# Altium PCB BalanceCar.PcbDoc (continued)
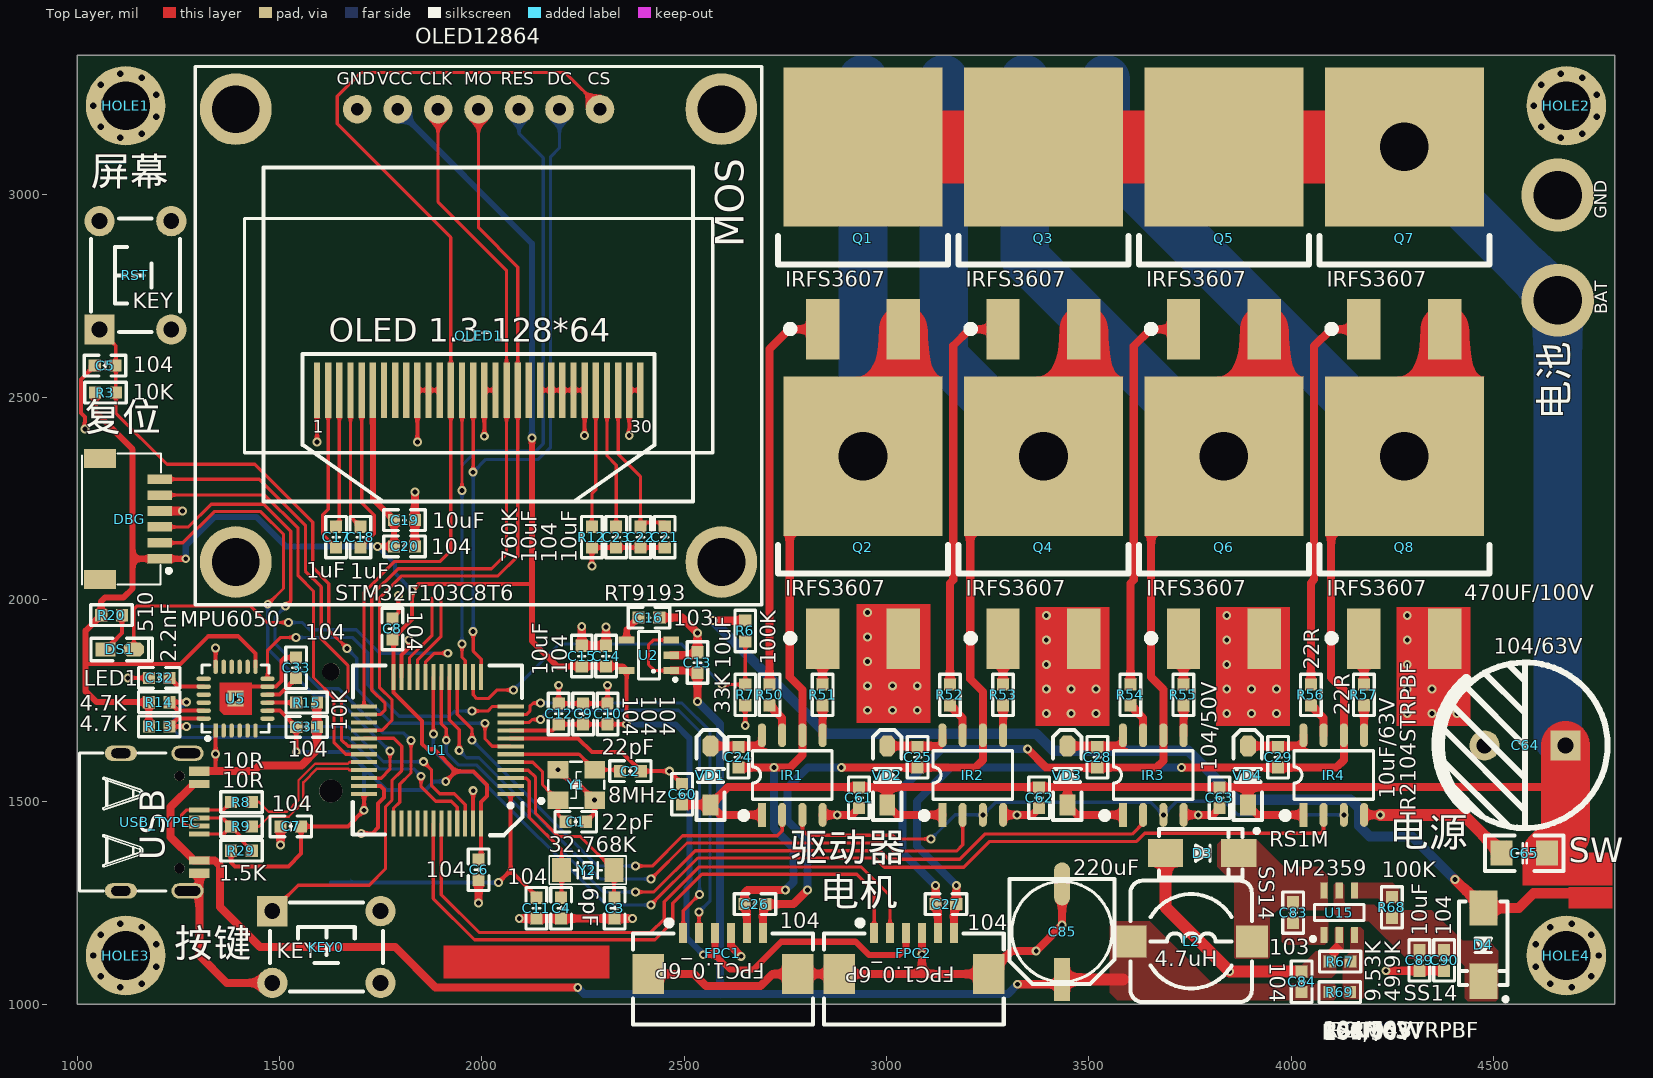
[diagram p0: Top Layer view]
## Part data
BAT: library part CR-3V, "微型电池"
C1 C2 C11 C12 C26 C27 C85: library part CAP
C3 C4 C5 C6 C7 C8 C9 C10 C13 C14 C15 C16 C17 C18 C19 C20 C21 C22 C23 C31 C32 C33 C83 C84 C89 C90: library part C
C24 C25 C28 C29 C60 C61 C62 C63 C65: library part C, "无极性贴片电容"
C64: library part C-CAP, "直插电解电容"
D3 D4: library part D, "1N4148"
DBG: library part "Header 6", "6P接插件"
DS1: library part LED2, "Typical RED, GREEN, YELLOW, AMBER GaAs LED"
FPC1 FPC2: library part FPC
IR1 IR2 IR3 IR4: "HALF-BRIDGE DRIVER"
KEY0 RST: library part KEY_M
L2: library part L_SOP
Q1 Q2 Q3 Q4 Q5 Q6 Q7 Q8: library part NMOS-2, "N-Channel Power MOSFET"
R3 R6 R7 R8 R9 R12 R13 R14 R15 R20 R29 R67 R68 R69: library part R
R50 R51 R52 R53 R54 R55 R56 R57: library part R, "贴片电阻"
U1: library part U-STM32F103C8T6
U2: library part CAT6219-330TD, "3.3V 500mA LDO"
U5: "9轴运动处理传感器"
U15: "DC DC Step Down IC"
USB_TYPEC: library part "USB Type-C", "12P TypeC 母座"
VD1 VD2 VD3 VD4: library part SS14, "肖特基二极管"
Y1: library part XTAL_3225, "3225贴片无源晶振"
Y2: library part XTAL, "Crystal Oscillator"

## Via types
v1: diameter 22, hole 12, Top Layer to Bottom Layer, 135 vias
v2: diameter 28, hole 16, Top Layer to Bottom Layer, 44 vias
v3: diameter 220, hole 120, Top Layer to Bottom Layer, 4 vias
v4: diameter 180, hole 120.08, Top Layer to Bottom Layer, 2 vias
v5: diameter 260, hole 120, Top Layer to Bottom Layer, 1 vias

## Nets (pads, with @x,y where several pads share a name; then routed paths per layer and width w, separated by ;. In a path a pad name is that pad's centre, name@x,y a point inside that pad or via, vN(x,y) a via of type N, cw(c..) or ccw(c..) an arc to the next point about the centre after c; other vN are vias at no path point)
BOOT0: U1.44
GND: BAT.2 C1.1 C2.1 C3.1 C4.1 C5.1 C6.1 C7.1 C8.1 C9.1 C10.1 C11.2 C12.1 C13.2 C14.1 C15.1 C16.1 C19.1 C20.1 C21.1 C22.1 C23.1 C31.1 C32.1 C33.1 C60.1 C61.1 C62.1 C63.1 C64.2 C65.2 C84.1 C85.2 C89.1 C90.1 D3.1 DBG.4 FPC1.4 FPC2.4 HOLE1.1 HOLE2.1 HOLE3.1 HOLE4.1 IR1.4 IR2.4 IR3.4 IR4.4 KEY0.2 OLED1.1 OLED1.8@1692,3211.45 OLED1.10 OLED1.11 OLED1.12 OLED1.16 OLED1.17 OLED1.21 OLED1.22 OLED1.23 OLED1.24 OLED1.25 OLED1.29 OLED1.30 Q2.3 Q4.3 Q6.3 Q8.3 R7.2 R12.1 R15.2 R67.2 RST.2 U1.8 U1.23 U1.35 U1.47 U2.2 U5.1 U5.11 U5.18 U5.25 U15.2 USB_TYPEC.1 USB_TYPEC.12 USB_TYPEC.SH1 USB_TYPEC.SH2 USB_TYPEC.SH3 USB_TYPEC.SH4 Y1.2 Y1.4 | length 7505.3
  Top Layer w10: v1(1019,2421) 1019,2451 1009,2461 1009,2543.59 C5.1 ; v1(1125,1806) C32.1 ; 1341,1575.76 1342.31,1577.08 v1(1342.31,1618.31) U5.1 ; U5.18 v1(1342.31,1880) ; v1(1391.53,1754.74) 1421.06,1784.27 U5.11 1491.27,1784.27 1505,1798 1505,1849 1512.59,1856.59 C33.1 ; v1(1592.79,2388.79) OLED1.1 ; v1(1702,1422) 1730,1422 1744,1436 1744,1496 1758,1510 1758,1530 1749.37,1538.63 U1.35 ; C8.1 1794,1967.59 v1(1794,2010) ; U1.23 1801.52,1862.52 1820,1881 v1(1820,1900) ; v1(1840.82,2388.82) OLED1.10 OLED1.11 OLED1.12 ; U1.47 v1(1978.68,1527.32) ; v1(2006.17,2403.17) OLED1.16 OLED1.17 ; U1.8 2238.26,1656.74 2272,1623 2345.18,1623 C2.1 v1(2463.5,1575.5) C60.1 ; OLED1.21 OLED1.22 OLED1.23 OLED1.24 OLED1.25 v1(2254.2,2405.2) ; v1(2188.22,1578.9) 2225.13,1542 2240.87,1542 v1(2278.78,1504.1) 2278.78,1471.59 C1.1 ; v1(2190,1788) C12.1 C10.1 v1(2311,1788) ; v1(2272,2083) R12.1 C23.1 C22.1 C21.1 ; v1(2364.44,2405.44) OLED1.29 OLED1.30 ; v1(2651,1688) R7.2
  Top Layer w20: DBG.4 v1(1260.5,2218.5) ; USB_TYPEC.12 1302.02,1119.98 1369.58,1052.42 KEY0.2 ; USB_TYPEC.1 1341,1575.76 1435.76,1575.76 1450,1590 1554,1590 1592.59,1628.59 C31.1 R15.2 ; v1(1502.41,1393.41) C7.1 ; C20.1 C19.1 v1(1834.59,2265.41) ; v1(1992,1250) C6.1 ; v1(2092.41,1211.41) C11.2 C4.1 C3.1 v1(2372.59,1211.41) ; v1(2247,1933) C15.1 C14.1 v1(2307,1932) ; FPC1.4@2411.35,1074.31 2524.69,1074.31 2554,1045 2689,1045 2718.31,1074.31 2780.65,1074.31 2883.35,1074.31 3087.68,1074.31 ; C16.1 2495,1955 v1(2533,1917) C13.2 2525.42,1862 U2.2 ; FPC1.4@2615.68,1175.69 2615.68,1143.32 v1(2641,1118) ; IR1.4 v1(2878.43,1467.57) 2915.17,1467.57 C61.1 ; FPC2.4@3087.68,1175.69 v1(3087.68,1123) 3087.68,1074.31 ; IR2.4 v1(3322.57,1467.57) 3360.17,1467.57 C62.1 ; C85.2 v1(3434,1195) v1(3370,1131) 3309.33,1131 3252.65,1074.31 3087.68,1074.31 ; IR3.4 v1(3770.57,1467.57) 3806.17,1467.57 C63.1 ; IR4.4 v1(4220.43,1467.57) ; v1(4234.41,1082.41) C89.1 C90.1
  Top Layer w30: D3.1 3689.45,1239.55 v1(3848.23,1080.77) C84.1 ; v1(4220.43,1467.57) 4425.34,1467.57 C65.2
  other v1: 3395,1718.21 3456.5,1718.21 3518,1718.21 3841,1718.21 3902.5,1718.21 3964,1718.21 4287,1718.21 4348.5,1718.21 4410,1718.21 2953,1726 3014.5,1726 3076,1726 3395,1778.71 3456.5,1778.71 3518,1778.71 3841,1778.71 3902.5,1778.71 3964,1778.71 4287,1778.71 4348.5,1778.71 4410,1778.71 2953,1786.5 3014.5,1786.5 3076,1786.5 3395,1839.21 3841,1839.21 4287,1839.21 2953,1847 3395,1899.71 3841,1899.71 4287,1899.71 2953,1907.5 3395,1960.21 3841,1960.21 4287,1960.21 2953,1968
  other v2: 1106.11,1041.22 4693.89,1041.22 1160,1050.72 4640,1050.72 1058.72,1068.58 4741.28,1068.58 1195.18,1092.64 4604.82,1092.64 1040,1120 1040,1120 1040,1120 4760,1120 4760,1120 4760,1120 1195.18,1147.36 4604.82,1147.36 1058.72,1171.42 4741.28,1171.42 1160,1189.28 4640,1189.28 1106.11,1198.78 4693.89,1198.78 1106.11,3141.22 4666.11,3141.22 1160,3150.72 4720,3150.72 1058.72,3168.58 4618.72,3168.58 1195.18,3192.64 4755.18,3192.64 1040,3220 1040,3220 1040,3220 4600,3220 4600,3220 4600,3220 1195.18,3247.36 4755.18,3247.36 1058.72,3271.42 4618.72,3271.42 1160,3289.28 4720,3289.28 1106.11,3298.78 4666.11,3298.78
  other v4: 4659,2999
INA1: IR1.2 U1.16 | length 1142
  Top Layer w8: U1.16 1939.32,1715.68 1976,1679 v1(1976,1652) ; v1(2380,1341) 2421,1341 2496,1416 2730,1416 2742.26,1428.26 IR1.2
  Bottom Layer w8: v1(1976,1652) 2287,1341 v1(2380,1341)
INA2: IR3.2 U1.18 | length 2165.3
  Top Layer w8: U1.18 1899.94,1693.06 1912.17,1680.83 v1(1912.17,1652) ; v1(2380,1277) 2425,1277 2527,1379 2985,1379 3006,1358 3181,1358 3243,1420 3607,1420 3634.26,1447.26 IR3.2
  Bottom Layer w8: v1(1912.17,1652) 1912.17,1620.83 1942,1591 1986,1591 2300,1277 v1(2380,1277)
INB1: IR2.2 U1.17 | length 1693.1
  Top Layer w8: U1.17 1919.63,1702.37 1944.09,1677.91 v1(1944.09,1627) ; v1(2418,1309) 2507,1398 2998,1398 3018,1378 3173,1378 3188.26,1393.26 IR2.2
  Bottom Layer w8: v1(1944.09,1627) 1962.09,1609 1993,1609 2293,1309 v1(2418,1309)
INB2: IR4.2 U1.19 | length 2673.2
  Top Layer w8: v1(1880.26,1667) U1.19 ; v1(2418,1245) 2534,1361 2972,1361 2995,1338 3191,1338 3255,1402 3618,1402 3638,1422 4073,1422 4080.26,1429.26 IR4.2
  Bottom Layer w8: v1(1880.26,1667) 1880.26,1627 1934.26,1573 1979,1573 2307,1245 v1(2418,1245)
JTCK: DBG.3 U1.37 | length 1327.2
  Top Layer w8: DBG.3 1275.13,2179.13 1331,2235 1461.46,2235 1528,2168.46 1528,1996 v1(1515,1983) ; U1.37 1781.83,1483.83 1797,1499 1797,1543 1825,1571 v1(1825,1651)
  Bottom Layer w8: v1(1515,1983) 1489,1957 1489,1890 1600,1779 1646,1779 1755,1670 1806,1670 v1(1825,1651)
JTMS: DBG.2 U1.34 | length 1185.2
  Top Layer w8: DBG.2 1261.22,2139.76 1338.46,2217 1454,2217 1510,2161 1510,2027 v1(1471,1988) ; U1.34 1751.31,1558.31 1773,1580 v1(1773,1625)
  Bottom Layer w8: v1(1471,1988) 1471,1878 1588,1761 1637,1761 v1(1773,1625)
MOTOR1: C24.1 C26.2 FPC1.5 IR1.6 Q1.3 Q2.2 | length 2818.9
  Top Layer w20: C24.1 v1(2722,1584.41) 2761.41,1584.41 2792.26,1615.26 IR1.6 2792.26,1776.74 2761,1808 2761,2173 v3(2942,2354) ; FPC1.5 2655.05,1241.36 C26.2 2649.41,1274.41 2657,1282 v1(2750,1282)
  Top Layer w120: v3(2942,2354) 3042,2454 Q1.3
  Bottom Layer w20: v1(2722,1584.41) 2722,1434 2770,1386 2770,1302 v1(2750,1282)
  Bottom Layer w120: v3(2942,2354) 2942,3285
MOTOR2: C25.1 C26.1 FPC1.6 IR2.6 Q3.3 Q4.2 | length 3203.8
  Top Layer w20: FPC1.6 2694.43,1240.83 C26.1 2770,1247 v1(2805,1282) ; v1(2888.41,1584.41) C25.1 3219.41,1584.41 3238.26,1603.26 IR2.6 3238.26,1771.74 3207,1803 3207,2173 v3(3388,2354)
  Top Layer w120: v3(3388,2354) 3488,2454 Q3.3
  Bottom Layer w20: v1(2805,1282) 2805,1403 2755,1453 2755,1534 2805.41,1584.41 v1(2888.41,1584.41)
  Bottom Layer w120: 3142,3285 3142,2600 v3(3388,2354)
MOTOR3: C27.2 C28.1 FPC2.5 IR3.6 Q5.3 Q6.2 | length 3433.7
  Top Layer w20: v1(3121.41,1292.59) C27.2 3127.05,1241.36 FPC2.5 ; v1(3349,1630) 3394.59,1584.41 C28.1 3667.41,1584.41 3684.26,1601.26 IR3.6 3684.26,1777.74 3654,1808 3654,2174 v3(3834,2354)
  Top Layer w120: v3(3834,2354) 3934,2454 Q5.3
  Bottom Layer w20: v1(3121.41,1292.59) 3040,1374 3040,1534 3136,1630 v1(3349,1630)
  Bottom Layer w120: 3342,3285 3342,2846 v3(3834,2354)
MOTOR4: C27.1 C29.1 FPC2.6 IR4.6 Q7.3 Q8.2 | length 3896.1
  Top Layer w20: FPC2.6 3166.43,1240.83 C27.1 v1(3172.59,1293.41) ; v1(3729.41,1584.41) C29.1 4111.41,1584.41 4130.26,1603.26 IR4.6 4130.26,1775.74 4099,1807 4099,2173 v3(4280,2354)
  Top Layer w120: v3(4280,2354) 4380,2454 Q7.3
  Bottom Layer w20: v1(3172.59,1293.41) 3075,1391 3075,1501 3158.41,1584.41 v1(3729.41,1584.41)
  Bottom Layer w120: 3542,3285 3542,3092 v3(4280,2354)
MPU_INT: U1.12 U5.12 | length 821
  Top Layer w8: U5.12 1470.27,1873.27 1503,1906 v1(1541,1906) ; v1(1976,1724) 2015,1724 2026.48,1735.48 U1.12
  Bottom Layer w8: v1(1541,1906) 1680,1906 1718,1868 1718,1789 1796,1711 1920,1711 1933,1724 v1(1976,1724)
MPU_SCL: R14.1 U1.45 U5.23 | length 1050.2
  Top Layer w8: v1(1850,1563) 1850,1537 1886,1501 1925,1501 1939.32,1486.68 U1.45
  Top Layer w10: v1(1270,1746) R14.1 1249.38,1725.21 U5.23
  Bottom Layer w8: v1(1270,1746) 1240,1716 1240,1676 1257,1659 1669,1659 1747,1581 1832,1581 v1(1850,1563)
MPU_SDA: R13.1 U1.46 U5.24 | length 972.4
  Top Layer w8: v1(1856,1599) 1856,1598.64 1875.41,1579.23 1875.41,1540.59 1896,1520 1932,1520 1959,1493 U1.46
  Top Layer w10: v1(1270,1686) R13.1 1248.11,1705.53 U5.24
  Bottom Layer w8: v1(1270,1686) 1670,1686 1757,1599 v1(1856,1599)
NetBAT_1: BAT.1 C11.1 U1.1 | length 739.5
  Top Layer w10: v1(2041,1300) 2071.2,1330.2 ; U1.1 2071.2,1330.2 ; C11.1 2135,1266.41 2071.2,1330.2
  Bottom Layer w10: BAT.1 v1(2041,1300)
NetC16_2: C16.2 U2.4 | length 67.8
  Top Layer w15: U2.4 2357.88,1925.47 C16.2
NetC17_1: C17.1 OLED1.3 | length 340.7
  Top Layer w8: C17.1 1647.91,2187.5 OLED1.3
NetC17_2: C17.2 OLED1.2 | length 408.6
  Top Layer w8: OLED1.2 1620.35,2222.35 1606,2208 1606,2162.41 C17.2
NetC18_1: C18.1 OLED1.5 | length 415.5
  Top Layer w8: C18.1 1734,2162.4 1734,2208 1703.02,2238.98 OLED1.5
NetC18_2: C18.2 OLED1.4 | length 347.6
  Top Layer w8: OLED1.4 1675.46,2204.13 C18.2
NetC21_2: C21.2 C22.2 OLED1.28 | length 409.3
  Top Layer w8: OLED1.28 2336.88,2359.12 2392,2304 2392,2190.5 C21.2@2452,2190.5
NetC23_2: C23.2 OLED1.27 | length 335.9
  Top Layer w8: OLED1.27 2309.32,2354.68 2332,2332 C23.2@2332,2190.5
NetC24_2: C24.2 IR1.8 VD1.2 | length 150.1
  Top Layer w20: VD1.2 2685.83,1637.83 2692.26,1644.26 IR1.8
NetC25_2: C25.2 IR2.8 VD2.2 | length 157.9
  Top Layer w20: VD2.2 3129.83,1637.83 3138.26,1646.26 IR2.8
NetC28_2: C28.2 IR3.8 VD3.2 | length 161.3
  Top Layer w20: VD3.2 3579.83,1637.83 3584.26,1642.26 IR3.8
NetC29_2: C29.2 IR4.8 VD4.2 | length 161.3
  Top Layer w20: VD4.2 4025.83,1637.83 4030.26,1642.26 IR4.8
NetC32_2: C32.2 U5.20 | length 93.2
  Top Layer w10: C32.2 1250.32,1784.27 U5.20
NetC33_2: C33.2 U5.10 | length 87.6
  Top Layer w10: U5.10 1500.17,1764.58 C33.2
NetC83_1: C83.1 U15.1
NetC83_2: C83.2 D3.2 L2.2 U15.6
NetC89_2: C89.2 C90.2 D4.2 R68.2 U15.5
NetDS1_1: DS1.1 R20.2 | length 101.5
  Top Layer w10: DS1.1 1110.59,1916.84 R20.2
NetIR1_5: IR1.5 R51.2 | length 74.1
  Top Layer w20: R51.2 2842.26,1738.15 IR1.5
NetIR1_7: IR1.7 R50.2 | length 86.9
  Top Layer w20: R50.2 2742.26,1707.15 IR1.7
NetIR2_5: IR2.5 R53.2 | length 74.1
  Top Layer w20: R53.2 3288.26,1738.15 IR2.5
NetIR2_7: IR2.7 R52.2 | length 86.9
  Top Layer w20: R52.2 3188.26,1707.15 IR2.7
NetIR3_5: IR3.5 R55.2 | length 74.1
  Top Layer w20: R55.2 3734.26,1738.15 IR3.5
NetIR3_7: IR3.7 R54.2 | length 86.9
  Top Layer w20: R54.2 3634.26,1707.15 IR3.7
NetIR4_5: IR4.5 R57.2 | length 74.1
  Top Layer w20: R57.2 4180.26,1738.15 IR4.5
NetIR4_7: IR4.7 R56.2 | length 86.9
  Top Layer w20: R56.2 4080.26,1707.15 IR4.7
NetOLED1_26: OLED1.26 R12.2 | length 330.5
  Top Layer w8: R12.2@2272,2190.5 2272,2261 2281.76,2270.76 OLED1.26
NetQ1_1: Q1.1 R50.1 | length 980.5
  Top Layer w20: R50.1 2711,2619 2759.38,2667.38 Q1.1
NetQ2_1: Q2.1 R51.1 | length 113.6
  Top Layer w20: R51.1 Q2.1
NetQ3_1: Q3.1 R52.1 | length 980.5
  Top Layer w20: R52.1 3157,2040 3165,2048 3165,2627 3205.38,2667.38 Q3.1
NetQ4_1: Q4.1 R53.1 | length 113.6
  Top Layer w20: R53.1 Q4.1
NetQ5_1: Q5.1 R54.1 | length 979.9
  Top Layer w20: R54.1 3603,2040 3611,2048 3611,2626 3652.38,2667.38 Q5.1
NetQ6_1: Q6.1 R55.1 | length 113.6
  Top Layer w20: R55.1 Q6.1
NetQ7_1: Q7.1 R56.1 | length 979.9
  Top Layer w20: R56.1 4049,2041 4057,2049 4057,2626 4098.38,2667.38 Q7.1
NetQ8_1: Q8.1 R57.1 | length 113.6
  Top Layer w20: R57.1 Q8.1
NetR8_1: R8.1 USB_TYPEC.5 USB_TYPEC.7 | length 200.8
  Top Layer w8: USB_TYPEC.7 1269.06,1439.94 1258,1451 1258,1468 1269.31,1479.31 USB_TYPEC.5 1360.72,1479.31 R8.1
NetR9_1: R9.1 R29.1 USB_TYPEC.6 USB_TYPEC.8 | length 254.3
  Top Layer w8: USB_TYPEC.8 1361.66,1420.25 R9.1 ; USB_TYPEC.6 1359.78,1459.62 R9.1 ; R29.1 1403,1407.6 1403,1416.4 R9.1
NetR15_1: R15.1 U5.9 | length 71.2
  Top Layer w10: U5.9 1541.31,1744.9 R15.1
NetR67_1: R67.1 R69.2 U15.3
NetR68_1: R68.1 U15.4
OLED_CS: OLED1.13 U1.25 | length 2492.6
  Top Layer w8: U1.25 1709,2018 1785,2094 1897,2094 1923.5,2120.5 1923.5,2517 1923.5,2894.5 1642.57,3175.43 1642.57,3243.57 1701,3302 2205.8,3302 2292,3215.8 OLED1.13@2292,3211.45
OLED_D0: OLED1.18 U1.26 | length 1898.3
  Top Layer w8: U1.26 1749.8,1715.8 1761,1727 1761,1743 1728,1776 1728,2011 1793,2076 2024,2076 2061.29,2113.29 2061.29,2517 2061.29,2812.71 1892,2982 OLED1.18@1892,3211.45
OLED_D1: OLED1.19 U1.28 | length 1923.6
  Top Layer w8: U1.28 1753.43,1676.43 1778,1701 1778,1752 1747,1783 1747,2003 1802,2058 2040,2058 2088.85,2106.85 2088.85,2517 2088.85,2821.15 1992,2918 OLED1.19@1992,3211.45
OLED_DC: OLED1.15 U1.13 | length 1778.3
  Top Layer w8: v1(1978.61,1920.39) 1978.61,1872.39 1998.37,1852.63 U1.13 ; v1(1978.61,2314.39) OLED1.15@1978.61,2517
  Bottom Layer w8: v1(1978.61,1920.39) v1(1978.61,2314.39) 2010.23,2346 2140,2346 2170,2376 2170,3094 2192,3116 OLED1.15@2192,3211.45
OLED_RST: OLED1.14 U1.15 | length 1848.7
  Top Layer w8: v1(1951.06,1890) 1951.06,1856.94 1959,1849 U1.15 ; v1(1951.06,2268.94) OLED1.14@1951.06,2517
  Bottom Layer w8: v1(1951.06,1890) v1(1951.06,2268.94) 1951.06,2331.06 1986,2366 2133,2366 2152,2385 2152,3091 2092,3151 OLED1.14@2092,3211.45
OSC_IN: C1.2 U1.5 Y1.1 | length 235.5
  Top Layer w8: U1.5 2126.32,1597.68 2150,1574 2150,1542.32 Y1.1 2188.22,1468.78 C1.2
OSC_OUT: C2.2 U1.6 Y1.3 | length 287.6
  Top Layer w8: U1.6 2240.31,1617.37 Y1.3 2338.1,1578.9 C2.2
PA0: FPC1.1 U1.10 | length 1015.8
  Top Layer w8: U1.10 2117.11,1696.11 2124,1703 v1(2145,1703) ; FPC1.1 2497.57,1230.57 v1(2538,1271)
  Bottom Layer w8: v1(2145,1703) 2168,1726 2486,1726 2538,1674 v1(2538,1271)
PA1: FPC1.2 U1.11 | length 1050
  Top Layer w8: U1.11 2110.8,1715.8 2119,1724 2119,1736 2127,1744 v1(2145,1744) ; FPC1.2 v1(2536.94,1227.94)
  Bottom Layer w8: v1(2145,1744) 2494,1744 2564,1674 2564,1255 v1(2536.94,1227.94)
PA4: R6.2 R7.1 U1.14 | length 924.5
  Top Layer w8: U1.14 1978.68,1764.32 1988,1755 2016,1755 2037,1776 v1(2078,1776) ; v1(2593.59,1789.59) R7.1 R6.2
  Bottom Layer w8: v1(2078,1776) 2192,1890 2493.19,1890 v1(2593.59,1789.59)
PA8: KEY0.1 U1.29 | length 743.9
  Top Layer w8: KEY0.1 1546.25,1293.69 1721.69,1293.69 1762,1334 1762,1488 1778,1504 1778,1553 1802,1577 1802,1637 1782.26,1656.74 U1.29
PA9: DBG.6 U1.30 | length 1050.1
  Top Layer w8: DBG.6 1450.12,2297.24 1564,2183.37 1564,2070 1603,2031 1603,1903 1669,1837 1669,1773 1653,1757 1653,1653.46 1669.4,1637.06 U1.30
PA10: DBG.5 U1.31 | length 1028.7
  Top Layer w8: DBG.5 1464.04,2257.87 1546,2175.91 1546,2058 1584,2020 1584,1807 1635,1756 1635,1646 1663.63,1617.37 U1.31
PA11: R8.2 U1.32 | length 366.9
  Top Layer w6: R8.2 1449.59,1499 1473.59,1475 1518,1475 1547,1504 1547,1552.97 1587.87,1593.84 1668.96,1593.84 1672.8,1597.68 U1.32
PA12: R9.2 U1.33 | length 366.9
  Top Layer w6: R9.2 1449.59,1439 1473.59,1463 1522.97,1463 1559,1499.03 1559,1548 1592.84,1581.84 1668.96,1581.84 1672.8,1578 U1.33
PA15: U1.38
PB2: DS1.2 U1.20 | length 1028.5
  Top Layer w8: DS1.2 1140,1976 1148,1984 1428,1984 1469,1943 v1(1522,1943) ; U1.20 1860.57,1844.57 1883,1867 v1(1916,1867)
  Bottom Layer w8: v1(1522,1943) 1556.36,1943 1574.36,1925 1690,1925 1748,1867 v1(1916,1867)
PB3: U1.39
PB4: U1.40
PB5: U1.41
PB6: FPC2.1 U1.42 | length 1531.2
  Top Layer w8: U1.42 1880.26,1260.74 1982,1159 2428,1159 2472,1203 2472,1249 2544,1321 2927,1321 2969.57,1278.43 FPC2.1
PB7: FPC2.2 U1.43 | length 1537.1
  Top Layer w8: U1.43 1899.94,1270.06 1993,1177 2418,1177 2451,1210 2451,1253 2537,1339 2937,1339 3008.94,1267.06 FPC2.2
PB10: U1.21 | length 217.8
  Top Layer w8: U1.21 1840.89,1849.89 1899,1908 1899,2002
PB11: U1.22 | length 217.8
  Top Layer w8: U1.22 1821.2,1855.2 1877,1911 1877,2003
PB14: U1.27
PC13: U1.2
PC14: C4.2 U1.3 Y2.1 | length 370.8
  Top Layer w8: U1.3 2109.69,1558.31 2117,1551 2117,1461 2197.04,1380.96 Y2.1 2197.04,1263.62 C4.2
PC15: C3.2 U1.4 Y2.2 | length 479
  Top Layer w8: U1.4 2115,1578 2133,1560 2133,1471 2190,1414 2243.96,1414 Y2.2 2326.96,1263.63 C3.2
POWER: C60.2 C61.2 C62.2 C63.2 C64.1 C65.1 IR1.1 IR2.1 IR3.1 IR4.1 Q1.2 Q3.2 Q5.2 Q7.2 VD1.1 VD2.1 VD3.1 VD4.1 | length 6188
  Top Layer w20: C60.2 2564.35,1492.82 VD1.1 ; IR1.1@2686.59,1461.9 IR1.1 2589.59,1467.57 VD1.1 ; IR2.1 3026.59,1467.57 VD2.1 3002,1536 ; IR3.1 3471.59,1467.57 VD3.1 3447,1535 3448,1536 ; IR4.1 3917.59,1467.57 VD4.1 3893,1536 ; 4678,1534 4676,1536 3893,1536 ; VD1.1 2608.83,1536 3002,1536 ; 3002,1536 3448,1536 ; 3448,1536 3893,1536
  Top Layer w120: C65.1 4678,1418.88 4678,1534 C64.1
  Top Layer w180: Q1.2 Q3.2 Q5.2 v5(4280,3118.17)
  Bottom Layer w120: v5(4280,3118.17) v4(4659,2739.17) 4659,1658 C64.1
RESET: C5.2 R3.2 RST.1 U1.7 | length 1740.4
  Top Layer w8: RST.1 1095.59,2626.97 R3.2 1095.59,2460.41 1222,2334 1439,2334 1582,2191 1582,2079 1622,2039 1622,1924 v1(1667,1879) ; v1(2008,1694) 2008,1655 2025.94,1637.06 U1.7
  Bottom Layer w8: v1(1667,1879) 1691,1855 1691,1779 1776,1694 v1(2008,1694)
SD: IR1.3 IR2.3 IR3.3 IR4.3 | length 1462.7
  Top Layer w8: IR1.3 2792.26,1430.74 2806,1417 3016,1417 3025,1408 v1(3110,1408)
  Bottom Layer w8: v1(3110,1408) 3169.57,1467.57 v1(3238.26,1467.57) 3269.69,1499 3652.83,1499 v1(3684.26,1467.57) 3717.69,1501 3835.15,1501 3868.57,1467.57 v1(4130.26,1467.57)
T_VBAT: 
VBAT: D4.1 R6.1 | length 2596.2
  Top Layer w20: v1(2571.41,1947.59) R6.1
  Top Layer w25: v1(4405,1307.55) D4.1 4562.55,1237.55 4599,1274 4753,1274
  Bottom Layer w25: v1(2571.41,1947.59) 2851,1668 3370,1668 3412,1626 3746,1626 3867,1505 4147,1505 4168,1484 4168,1440 4194,1414 4298.55,1414 v1(4405,1307.55)
VCC3.3: C6.2 C7.2 C8.2 C9.2 C10.2 C12.2 C14.2 C15.2 C19.2 C20.2 C31.2 DBG.1 FPC1.3 FPC2.3 OLED1.6 OLED1.9@1792,3211.45 R3.1 R13.2 R14.2 R20.1 R29.2 U1.9 U1.24 U1.36 U1.48 U2.5 U5.8 U5.13 | length 8724.4
  Top Layer w10: 1021,1841 1022,1840 1255,1840 1324,1909 1398,1909 1440.74,1866.26 U5.13 ; R29.2 1380.41,1349.59 1390,1340 1522,1340 1553.59,1371.59 C7.2 1669,1439 v1(1709,1479) U1.36 ; U5.8 1501.2,1725.21 C31.2 v1(1541.41,1623.41) ; C8.2 1828,1950.42 v1(1828,2022) 1844,2038 2123,2038 2124,2039 ; C8.2@1781.83,1901.41 U1.24 1781.83,1770.17 1852,1700 1852,1643 1865.25,1629.75 1881.25,1629.75 1936,1575 ; v1(1911,1550) 1936,1575 ; C6.2 1998.37,1363.95 U1.48 1998.37,1499.37 2013,1514 2013,1541 1979,1575 1936,1575 ; U1.9 2175.01,1676.43 C12.2 C10.2 v1(2357.88,1691.41) U2.5
  Top Layer w15: R3.1 1044.41,2463.59 1137,2371 1137,2100.39 ; R13.2 R14.2 1048,1746 1021,1773 1021,1841 1021,1922.59 R20.1 1059.41,1995.07 1069.33,2005 1115,2005 1137,2027 1137,2100.39 ; v1(1268.39,2100.39) DBG.1 1137,2100.39 ; OLED1.6 1730.58,2248.83 C19.2 C20.2 v1(1742,2131) ; v1(2124,2399) 2124,2039 2124,1897 2186.59,1834.41 C15.2 C14.2 2348.07,1834.41 U2.5 ; v1(2548,1122) 2576.31,1122 ; FPC1.3 2576.31,1122 ; FPC2.3 3048.31,1138.31 3031,1121 2957,1121 2924,1154 2740,1154 2671,1085 2613.31,1085 2576.31,1122
  Bottom Layer w10: v1(1541.41,1623.41) 1669.59,1623.41 1709,1584 ; v1(1709,1479) 1709,1584 ; v1(1742,2131) 1785,2088 1785,2065 v1(1828,2022) ; v1(1911,1550) 1882,1550 1861,1529 1764,1529 1709,1584
  Bottom Layer w15: v1(1268.39,2100.39) 1268.39,2132.39 1340,2204 1443,2204 1516,2131 v1(1742,2131) ; OLED1.9@1792,3211.45 2124,2879.45 v1(2124,2399) ; v1(2357.88,1691.41) 2478.59,1691.41 2513,1657 2513,1294 2506,1287 2506,1164 v1(2548,1122)
VCC5: C13.1 C84.2 C85.1 L2.1 R69.1 U2.1 U2.3 USB_TYPEC.2 USB_TYPEC.11 | length 3813.9
  Top Layer w8: U2.1 2426.4,1824.6 2412,1839 2412,1888 2423.4,1899.4 U2.3
  Top Layer w20: USB_TYPEC.2 1288.27,1544.27 1231,1487 1231,1413 1288.71,1355.29 USB_TYPEC.11 1339.71,1355.29 1353,1342 1353,1240 1452,1141 1786,1141 1886,1041 v1(2237,1041) ; U2.1 2526.81,1824.6 C13.1 v1(2533,1748) ; v1(3324,1049) 3422.11,1049 C85.1
  Top Layer w30: C85.1 3584.89,1060.89
  Bottom Layer w20: v1(2237,1041) 2253,1025 2589,1025 ; v1(2533,1748) 2589,1692 2589,1025 ; v1(3324,1049) 3300,1025 2589,1025
pads on no net: BAT.0 DBG.0 KEY0.0 OLED1.7 OLED1.8@1392,2092.55 OLED1.8@1392,3211.45 OLED1.8@1785.7,2517 OLED1.8@2592,2092.55 OLED1.8@2592,3211.45 OLED1.9@1813.26,2517 OLED1.20 RST.3 RST.4 U5.2 U5.3 U5.4 U5.5 U5.6 U5.7 U5.14 U5.15 U5.16 U5.17 U5.19 U5.21 U5.22 USB_TYPEC.

## Polygon pours and split planes (outlines as drawn)
GND on Bottom Layer "Top Layer-No Net" (solid, remove dead copper, pour order 4): 1000,3345 3474,3345 4800,3345 4800,1000 1000,1000
NetC89_2 on Top Layer "AutoNaming" (solid, remove dead copper, pour order 6): 4126,1300 4131,1295 4131,1253 4138,1246 4206,1246 4220,1232 4348,1232 4424,1156 4488,1156 4512,1132 4512,1013 4506,1007 4436,1007 4429,1014 4429,1093 4410,1112 4285,1112 4192,1205 4124,1205 4105,1224 4105,1295 4110,1300
NetR68_1 on Top Layer "AutoNaming" (solid, remove dead copper, pour order 8): 4148,1262 4215,1262 4229,1248 4264,1248 4267,1251 4267,1284 4251,1300 4148,1300
NetR67_1 on Top Layer "AutoNaming" (solid, remove dead copper, pour order 10): 4151,1191 4146,1186 4146,1129 4127,1110 4127,1017 4132,1012 4175,1012 4179,1016 4179,1127 4179,1183 4171,1191
VCC5 on Top Layer "AutoNaming" (solid, remove dead copper, pour order 12): 4112,1017 4105,1010 3570,1010 3552,1028 3552,1194 3563,1205 3651,1205 3806,1050 4089,1050 4107,1050 4112,1045
NetC83_2 on Top Layer "AutoNaming" (solid, remove dead copper, pour order 14): 3915,1406 3982,1339 4068,1339 4090,1317 4090,1241 4081,1232 3966,1232 3947,1213 3947,1116 3943,1112 3862,1112 3859,1115 3859,1298 3818,1339 3818,1395 3829,1406
NetC83_1 on Top Layer "AutoNaming" (solid, remove dead copper, pour order 16): 3983,1217 3977,1211 3977,1154 3985,1146 4086,1146 4092,1152 4092,1207 4082,1217
GND on Top Layer "AutoNaming" (solid, remove dead copper, pour order 18): 4108,1191 4130,1191 4130,1133 4111,1114 4111,1076 4100,1065 4034,1065 4026,1073 4026,1096 4064,1134 4094,1134 4108,1148

## Other copper
Top Layer:
  rectangle: 1905,1063 2315,1145
  rectangle net GND: 4260,1687.21 4443,1981.21
  rectangle net GND: 3814,1687.21 3997,1981.21
  rectangle net GND: 3368,1687.21 3551,1981.21
  rectangle net GND: 2926,1695 3109,1989
  region net GND: 4106.85,1111.85 4130,1135 4111.15,1153.85 4088,1130.71
  rectangle net VBAT: 4685.63,1236 4794,1289
  rectangle net POWER: 4572,1293 4794,1375
Bottom Layer:
  pour cut-out: 1746.17,3244.18 1762,3260 2319,3260 2342,3237 2342,2984 2178,2820 2112,2820 1746.17,3185.82
  pour cut-out: 2883,2216 4342,2216 4422,2296 4422,2407 3680,3149 3680,3345 3497,3345 2803,3345 2803,2296

## Silkscreen, mask and mechanical layers (free items; w line width, h text height)
Top Overlay:
  text "屏幕" at 1034,3000 h120
  text "GND" at 4790,2941 h52 r90
  text "MOS" at 2671,2870 h120 r90
  text "BAT" at 4790.58,2705 h52 r90
  text "电池" at 4707,2445 h120 r90
  text "复位" at 1015,2393 h120
  text "电源" at 4245,1367 h120
  text "USB" at 1238,1356 h107 r90
  text "SW" at 4686,1350 h60
  text "驱动器" at 2760,1330 h120
  text "电机" at 2837,1219 h120
  text "按键" at 1240,1094 h120
Top Solder:
  rectangle: 4686,1245 4794,1289
  rectangle: 4686,1293 4794,1341
  text "OLED" at 1570,2710 h120
  text "Mymymind" at 1908,1083 h95
Bottom Solder:
  rectangle: 2882,3205 3002,3345
  rectangle: 3082,3205 3202,3345
  rectangle: 3282,3205 3402,3345
  rectangle: 3482,3205 3602,3345
  text "RTC" at 1606,1582 h120
Mechanical 1:
  lines w10: 1000,1000 1660,1000 4800,1000 4800,3345 1000,3345 1000,1000

## Dimensions
1000,3345 to 4800,3345 on Top Overlay
1000,3345 to 1000,1000 on Top Overlay

## Text inside footprints (layer, text, board x,y; h text height)
OLED1: Top Overlay "30" at 2367,2402 h52; Top Overlay "1" at 1582,2402 h52; Top Overlay "CS" at 2262,3262 h52; Top Overlay "DC" at 2162,3262 h52; Top Overlay "RES" at 2047,3262 h52; Top Overlay "MO" at 1957,3262 h52; Top Overlay "CLK" at 1847,3262 h52; Top Overlay "VCC" at 1742,3262 h52; Top Overlay "GND" at 1642,3262 h52; Top Overlay "OLED 1.3-128*64" at 1622,2617 h100